# Altium PCB EL2086.PcbDoc (part 1 of 4) (continued)
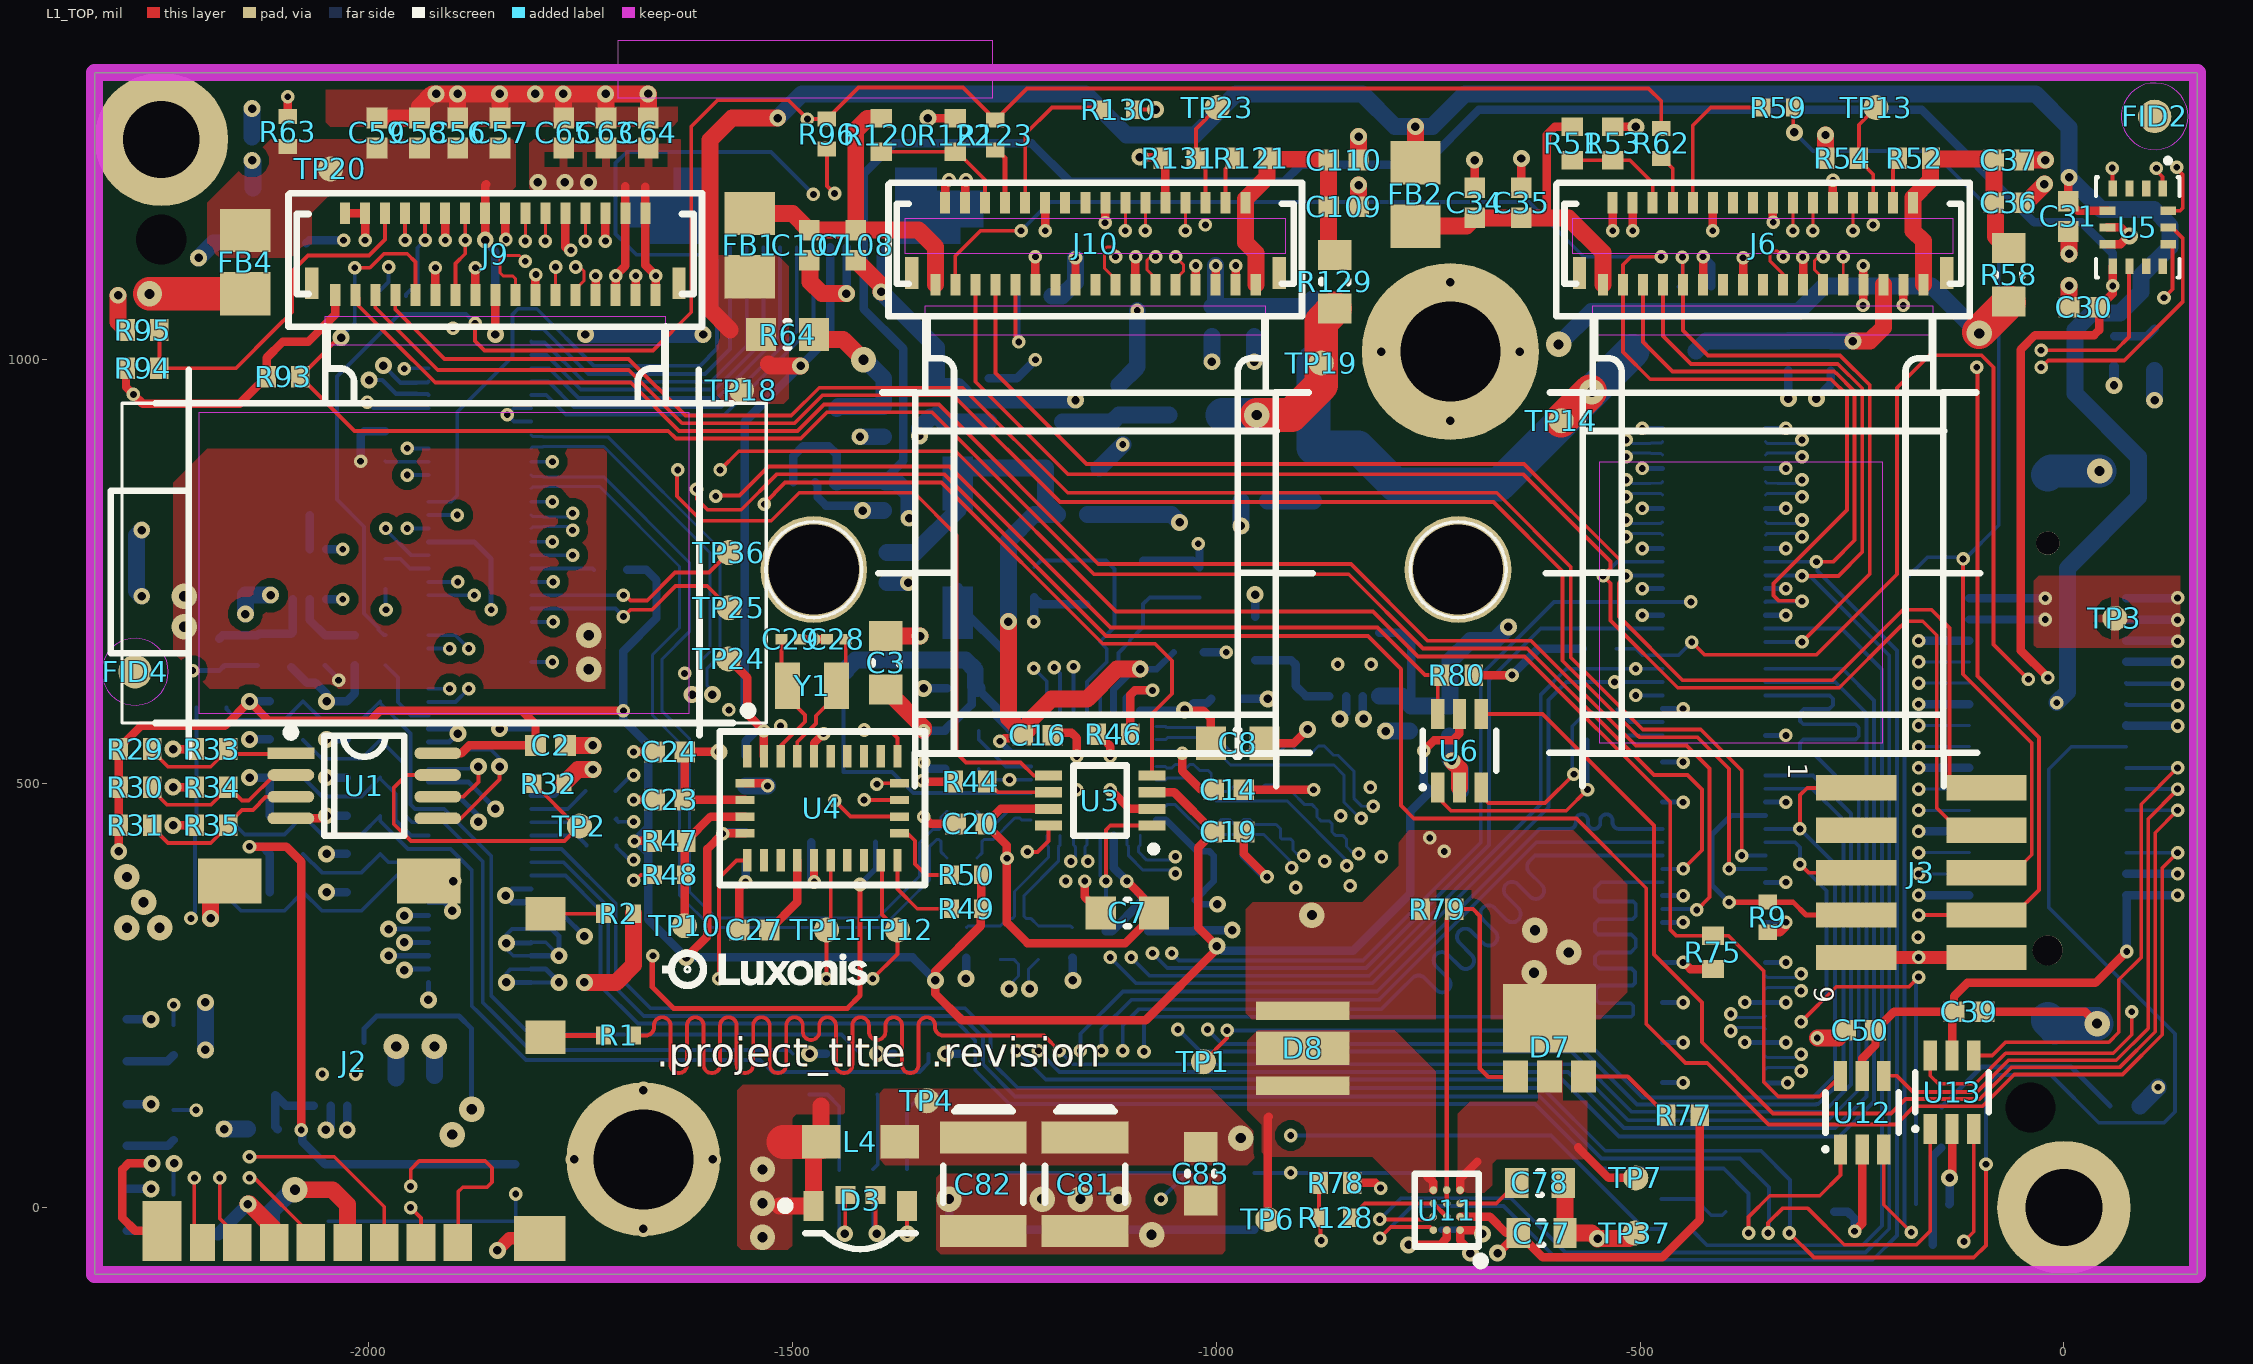
[diagram p0: L1_TOP view]
## Components (designator, comment, footprint, x,y, rotation, side; value= is the part's Value field where it differs from the comment) (continued)
C38 "CL05B104KO5NFNC" CAPC0402(1005)60_N -729.28,491 r180 bottom value=100nF
C39 "CL05B104KO5NFNC" CAPC0402(1005)60_N -112,231 r180 top value=100nF
C40 "GRM155R61E105KA12D" CAPC0402(1005)70_N -1392,840 r90 bottom value=1µF
C41 "GRM155R61E105KA12D" CAPC0402(1005)70_N -1392,926.83 r90 bottom value=1µF
C42 "GRM155R61A106ME11D" CAPC0402(1005)60_L -1967,137 r270 bottom value=10µF
C43 "CL05B104KO5NFNC" CAPC0402(1005)60_N -1922,138 r270 bottom value=100nF
C44 "GRM155R61E105KA12D" CAPC0402(1005)70_N -1329.57,952.42 r270 bottom value=1µF
C45 "GRM155R61E105KA12D" CAPC0402(1005)70_N -1114.57,952.42 r270 bottom value=1µF
C46 "CL05A226MQ5N6J8" CAPC0402(1005)60_L -2176,214 r0 bottom value=22µF
C47 "GRM155R61A106ME11D" CAPC0402(1005)60_L -772,578 r90 bottom value=10µF
C48 "CL05B104KO5NFNC" CAPC0402(1005)60_N -725,574 r90 bottom value=100nF
C49 "CL05A226MQ5N6J8" CAPC0402(1005)60_L -955,833.5 r0 bottom value=22µF
C50 "CL05B104KO5NFNC" CAPC0402(1005)60_N -240,209 r0 top value=100nF
C56 "GRM155R60J106ME15D" CAPC0402(1005)70_N -1894.57,1267.42 r270 top value=10µF
C57 "GRM155R60J106ME15D" CAPC0402(1005)70_N -1844.57,1267.42 r270 top value=10µF
C58 "GRM155R71A104JA01D" CAPC0402(1005)70_N -1939.57,1267.42 r270 top value=100nF
C59 "GRM155R71A104JA01D" CAPC0402(1005)70_N -1989.57,1267.42 r270 top value=100nF
C60 "GRM155R60J106ME15D" CAPC0402(1005)70_N -1715,1047.42 r90 bottom value=10µF
C61 "GRM155R60J106ME15D" CAPC0402(1005)70_N -1674.57,1047.42 r90 bottom value=10µF
C62 "GRM155R60J106ME15D" CAPC0402(1005)70_N -1630.35,1047.42 r90 bottom value=10µF
C63 "GRM155R71A104JA01D" CAPC0402(1005)70_N -1719.57,1267.42 r270 top value=100nF
C64 "GRM155R71A104JA01D" CAPC0402(1005)70_N -1669.57,1267.42 r270 top value=100nF
C65 "GRM155R71A104JA01D" CAPC0402(1005)70_N -1769.57,1267.42 r270 top value=100nF
C66 "TLJB157M010R0500" RESTL1210(3225)_L -1769.57,1232.42 r90 bottom value=150µF
C67 "TLJB157M010R0500" RESTL1210(3225)_L -1884.57,1232.42 r90 bottom value=150µF
C77 "GRM188R61A106ME69D" CAPC0603(1608)100_L -616,-30 r180 top value=10µF
C78 "GRM188R61A106ME69D" CAPC0603(1608)100_L -618,29 r0 top value=10µF
C80 "GRM188R61A226ME15D" CAPC0603(1608)100_N -2242,761.16 r0 bottom value=22µF
C81 "TLJB157M010R0500" RESTL1210(3225)_L -1154.57,27.42 r270 top value=150µF
C82 "TLJB157M010R0500" RESTL1210(3225)_L -1274.57,27.42 r270 top value=150µF
C83 "GRM188R61A226ME15D" CAPC0603(1608)100_N -1018,40 r90 top value=22µF
C100 "CL05B104KO5NFNC" CAPC0402(1005)60_N -2145,740 r90 bottom value=100nF
C101 "GRM188R61A226ME15D" CAPC0603(1608)100_N -2104.57,1137.42 r0 bottom value=22µF
C102 "GRM188R61A226ME15D" CAPC0603(1608)100_N -2104.57,1202.42 r0 bottom value=22µF
C103 "CL05B104KO5NFNC" CAPC0402(1005)60_N -2119.57,1262.42 r0 bottom value=100nF
C104 "GCM1555C1H330JA16D" FP-GCM155-0_05-IPC_A -2175.74,652.11 r90 bottom value=33pF
C105 "GRM155R60J106ME15D" CAPC0402(1005)70_N -955,1045 r90 bottom value=10µF
C106 "CL05B104KO5NFNC" CAPC0402(1005)60_N -1005,1045 r90 bottom value=100nF
C107 "GRM155R60J106ME15D" CAPC0402(1005)70_N -1480,1135 r90 top value=10µF
C108 "CL05B104KO5NFNC" CAPC0402(1005)60_N -1425,1135 r90 top value=100nF
C109 "GRM155R60J106ME15D" CAPC0402(1005)70_N -849.57,1180.42 r180 top value=10µF
C110 "CL05B104KO5NFNC" CAPC0402(1005)60_N -849.57,1235.42 r180 top value=100nF
D1 "SML-D12D8WT86" SML_D1XX8W -145,95 r90 bottom
D2 "SML-D12U8WT86" SML_D1XX8W 107,1012.14 r90 bottom
D3 "155124M173200" FP-155124M173200-MFG -1419.57,-17.58 r0 top
D4 "SML-D12M8WT86" SML_D1XX8W -2284.57,-2.58 r90 bottom
D7 "BELAGO1.1" Belago1.1 -606.77,208.66 r270 top
D8 "SFH 4725AS" "SFH 4715AS" -898,188 r0 top
D18 "SML-D12M8WT86" SML_D1XX8W -2284.57,97.42 r90 bottom
D19 "SML-D12M8WT86" SML_D1XX8W -2284.57,197.42 r90 bottom
FB1 "2508056017Y2" 2508056017Y2 -1550,1135 r90 top
FB2 "2508056017Y2" 2508056017Y2 -765,1195 r270 top
FB3 "2508056017Y2" 2508056017Y2 -471.25,1010.43 r0 bottom
FB4 "2508056017Y2" 2508056017Y2 -2145,1115 r90 top
FB5 "2508056017Y2" 2508056017Y2 -885,1035 r90 bottom
FID1 "FIDUCIAL_ROUND_1MM" FIDUCIAL_ROUND_1MM -2283,478 r90 bottom
FID2 "FIDUCIAL_ROUND_1MM" FIDUCIAL_ROUND_1MM 107,1287 r90 top
FID3 "FIDUCIAL_ROUND_1MM" FIDUCIAL_ROUND_1MM 77.23,1288 r90 bottom
FID4 "FIDUCIAL_ROUND_1MM" FIDUCIAL_ROUND_1MM -2275,632 r90 top
J1 "SFV10R-2STE1HLF" SFV10R-2STE1HLF -1484.39,1151.89 r0 bottom locked
J2 "uSD push/pull" 104031-0811 -2016.97,171.91 r0 top locked
J3 "20021121-00010T1LF" 20021121-00010T1LF -168.23,395 r270 top
J4 "DF40HC(3.0)-100DS-0.4V_SoM-PRO_A" CON_A_BW2099_SOM_DF40HC-3.0-100DS-0.4V_MINPAD -1101.69,533.24 r180 bottom
J5 "DF40HC(3.0)-100DS-0.4V_SoM-PRO_B" CON_B_BW2099_SOM_DF40HC-3.0-100DS-0.4V_MINPAD -1100.71,533.24 r180 bottom locked
J6 "FH26W-33S-0.3SHW(60)" AC-PY003-OV9282#1 -354.33,748.56 r180 top locked
J7 "529010374" CON_529010374 -111.69,368.58 r90 bottom
J9 "JH-B2027-00" PCBComponent_1 -1826.06,748.56 r180 top locked
J10 "FH26W-33S-0.3SHW(60)" AC-PY003-OV9282#2 -1141.73,748.56 r180 top
L1 "LQH32NH2R2J23L" LQH32NH2R2J23L -1304.57,777.42 r90 bottom value=2.2µH
L2 "DFE252012P-1R0M=P2" DFE252012P-1R0M=P2 -2069.57,287.42 r180 bottom value=1µH
L3 "DFE252012P-1R0M=P2" DFE252012P-1R0M=P2 -855,752.42 r180 bottom value=1µH
L4 "742792011" SMD-0805 -1419.57,77.42 r0 top
L6 "SRP6540-1R5M" FP-SRP6540-MFG -2166.57,951.42 r90 bottom locked value=1.5µH
MTG1 "9774030943R" 9774030943R#1 -1675.51,56.87 r180 bottom
MTG2 "9774030943R" 9774030943R#2 -723.74,1009.62 r180 bottom
Q1 "RE1C002UNTCL" RE1C002UNTCL -155,-20 r0 bottom
Q2 "RE1C002UNTCL" RE1C002UNTCL -1319.57,157.42 r0 bottom
Q4 "RE1C002UNTCL" RE1C002UNTCL -1399.57,157.42 r0 bottom
Q5 "RE1C002UNTCL" RE1C002UNTCL -1479.57,157.42 r0 bottom
Q6 "DDTC114YCA-7-F" DDTC114YCA-7-F-Footprint-1 -1439.57,472.42 r90 bottom
R1 "CRCW04020000Z0ED" RESC0402(1005)_L -1704.64,203 r180 top value=0
R2 "CRCW04020000Z0ED" RESC0402(1005)_L -1704.72,346.61 r180 top value=0
R3 "RC0402FR-071KL" RESC0402(1005)_L 59,1009.72 r270 bottom value=1k
R4 "RC0402FR-071KL" RESC0402(1005)_L 72,120 r0 bottom value=1k
R5 "ERJ-2RKF7500X" RESC1005X40X25NL05T05 -1364.57,27.42 r270 bottom value=750
R6 "CRCW04021K20FKED" RESC1005X40X25NL05T05 -1404.57,27.42 r270 bottom value=1.2k
R7 "RC0402FR-07150RL" RESC1005X40X25NL05T10 -1444.57,27.42 r270 bottom value=150
R8 "CRCW0402470RFKED" RESC0402(1005)_L -2229.57,97.42 r270 bottom value=470
R9 "RC0402FR-071KL" RESC0402(1005)_L -349.57,342.42 r270 top value=1k
R10 "CRCW04020000Z0ED" RESC0402(1005)_L -544.57,587.42 r180 bottom value=0
R11 "RC0402FR-1310KL" RESC0402(1005)_N -2096.49,597.11 r180 bottom value=10k
R12 "RC0402FR-1310KL" RESC0402(1005)_N -2096.49,552.11 r180 bottom value=10k
R13 "RC0402FR-1310KL" RESC0402(1005)_N -2096.49,507.11 r180 bottom value=10k
R14 "RC0402FR-1310KL" RESC0402(1005)_N -2096.49,462.11 r180 bottom value=10k
R15 "RC0402FR-1310KL" RESC0402(1005)_N -2096.49,417.11 r180 bottom value=10k
R16 "RC0402FR-1310KL" RESC0402(1005)_N -2096.49,372.11 r180 bottom value=10k
R17 "CRCW04020000Z0ED" RESC0402(1005)_L -2186.49,372.11 r180 bottom value=0
R18 "CRCW04020000Z0ED" RESC0402(1005)_L -2185,462.11 r180 bottom value=0
R19 "CRCW04020000Z0ED" RESC0402(1005)_L -2185,590 r180 bottom value=0
R20 "RC0402FR-1310KL" RESC0402(1005)_N -2005.49,597.11 r0 bottom value=10k
R21 "RC0402FR-1310KL" RESC0402(1005)_N -2005.49,552.11 r0 bottom value=10k
R22 "RC0402FR-1310KL" RESC0402(1005)_N -2005.49,507.11 r0 bottom value=10k
R23 "RC0402FR-1310KL" RESC0402(1005)_N -2005.49,462.11 r0 bottom value=10k
R24 "RC0402FR-1310KL" RESC0402(1005)_N -2005.49,417.11 r0 bottom value=10k
R25 "RC0402FR-1310KL" RESC0402(1005)_N -2005.49,372.11 r0 bottom value=10k
R26 "CRCW04020000Z0ED" RESC0402(1005)_L -1979.57,657.42 r90 bottom value=0
R27 "RC0402FR-1310KL" RESC0402(1005)_N -1714,752 r0 bottom value=10k
R28 "CRCW04020000Z0ED" RESC0402(1005)_L -1979.57,747.42 r270 bottom value=0
R29 "RC0402FR-1310KL" RESC0402(1005)_N -2274.57,540.81 r180 top value=10k
R30 "RC0402FR-1310KL" RESC0402(1005)_N -2274.57,495.81 r180 top value=10k
R31 "RC0402FR-1310KL" RESC0402(1005)_N -2274.57,450.81 r180 top value=10k
R32 "RC0402FR-071KL" RESC0402(1005)_L -1787.07,500 r180 top value=1k
R33 "RC0402FR-1310KL" RESC0402(1005)_N -2184.57,540.81 r0 top value=10k
R34 "RC0402FR-1310KL" RESC0402(1005)_N -2184.57,495.81 r0 top value=10k
R35 "RC0402FR-1310KL" RESC0402(1005)_N -2184.57,450.81 r0 top value=10k
R36 "RC0402FR-0722RL" RESC0402(1005)_N -1209.57,312.42 r90 bottom value=22
R37 "RC0402FR-0722RL" RESC0402(1005)_N -1254.57,312.42 r90 bottom value=22
R38 "RC0402FR-0749R9L" RESC0402(1005)_L -1169.57,312.42 r90 bottom value=49.9
R39 "RC0402FR-0749R9L" RESC0402(1005)_L -1294.57,312.42 r90 bottom value=49.9
R40 "RC0402FR-1310KL" RESC0402(1005)_N -1439.57,612.42 r90 bottom value=10k
R41 "RC0402FR-1310KL" RESC0402(1005)_N -1299.57,562.42 r180 bottom value=10k
R42 "RC0402FR-1310KL" RESC0402(1005)_N -1130,345.45 r270 bottom value=10k
R43 "RC0402FR-1310KL" RESC0402(1005)_N -1299.57,517.42 r180 bottom value=10k
R44 "RC0402FR-1310KL" RESC0402(1005)_N -1289.57,502.42 r0 top value=10k
R45 "RC0402FR-071ML" RESC0402(1005)_L -1119.57,667.42 r0 bottom value=1M
R46 "RC0402FR-072K49L" RESC0402(1005)_N -1121.06,558.07 r0 top value=2.49k
R47 "RC0402FR-1310KL" RESC0402(1005)_N -1644.57,432.42 r180 top value=10k
R48 "CRCW04020000Z0ED" RESC0402(1005)_L -1644.57,392.42 r180 top value=0
R49 "RC0402FR-072K2L" RESC0402(1005)_L -1294.57,352.42 r180 top value=2.2k
R50 "RC0402FR-072K2L" RESC0402(1005)_L -1294.57,392.42 r180 top value=2.2k
R51 "RC0402FR-1310KL" RESC0402(1005)_N -580,1255 r90 top value=10k
R52 "RC0402FR-1310KL" RESC0402(1005)_N -176.57,1237.42 r0 top value=10k
R53 "RC0402FR-1310KL" RESC0402(1005)_N -532.27,1255 r270 top value=10k
R54 "RC0402FR-1310KL" RESC0402(1005)_N -261.57,1237.42 r180 top value=10k
R55 "RC0402FR-1310KL" RESC0402(1005)_N -1213.08,1075 r180 bottom value=10k
R56 "CRCW0402470RFKED" RESC0402(1005)_L -2229.57,197.42 r270 bottom value=470
R57 "CRCW0402470RFKED" RESC0402(1005)_L -2229.57,-2.58 r270 bottom value=470
R58 "CRCW06030000Z0EA" RESC0603(1608)_N -65,1100 r90 top value=0
R59 "CRCW04020000Z0ED" RESC0402(1005)_L -337,1297.42 r0 top value=0
R60 "CRCW04020000Z0ED" RESC0402(1005)_L -1980,898 r90 bottom value=0
R61 "RC0402FR-1310KL" RESC0402(1005)_N -435,1086 r180 bottom value=10k
R62 "CRCW04020000Z0ED" RESC0402(1005)_L -475,1255 r90 top value=0
R63 "CRCW04020000Z0ED" RESC0402(1005)_L -2095,1269 r90 top value=0
R64 "CRCW06030000Z0EA" RESC0603(1608)_N -1505.5,1029.7 r180 top value=0
R65 "CRCW06030000Z0EA" RESC0603(1608)_N -1024.1,934.7 r0 bottom value=0
R66 "CRCW06030000Z0EA" RESC0603(1608)_N -2196,288 r180 bottom value=0
R67 "RC0402FR-07300KL" RESC0402(1005)_N -2109.57,152.11 r90 bottom value=300k
R68 "RC0402FR-0747KL" RESC0402(1005)_L -2124.57,92.42 r0 bottom value=47k
R69 "CRCW06030000Z0EA" RESC0603(1608)_N -885,865 r90 bottom value=0
R70 "RC0402FR-0756KL" RESC0402(1005)_L -906,658 r90 bottom value=56k
R71 "RC0603FR-0733KL" RESC1608X55X25LL10T15 -954,671 r270 bottom value=33k
R72 "CRCW04020000Z0ED" RESC0402(1005)_L -475,-7.72 r270 bottom value=0
R73 "CRCW04020000Z0ED" RESC0402(1005)_L -440,-7.72 r90 bottom value=0
R74 "RC0402FR-1310KL" RESC0402(1005)_N -547.69,659 r0 bottom value=10k
R75 "RC0402FR-1310KL" RESC0402(1005)_N -414,301 r90 top value=10k
R76 "CRCW08050000Z0EA" RESC0805(2012)_L -1974.57,1252.42 r270 bottom value=0
R77 "RC0402FR-07300KL" RESC0402(1005)_N -449.26,109 r0 top value=300k
R78 "RC0402FR-1310KL" RESC0402(1005)_N -859,29 r180 top value=10k
R79 "RC0402FR-07360KL" RESC0402(1005)_N -739,352 r0 top value=360k
R80 "RC0402FR-1310KL" RESC0402(1005)_N -716,628 r180 top value=10k
R93 "RC0402FR-1310KL" RESC0402(1005)_N -2100,980 r0 top value=10k
R94 "RC0402FR-1310KL" RESC0402(1005)_N -2266,990 r0 top value=10k
R95 "RC0402FR-1310KL" RESC0402(1005)_N -2266,1035 r0 top value=10k
R96 "CRCW04020000Z0ED" RESC0402(1005)_L -1459,1266 r90 top value=0
R97 "CRCW04020000Z0ED" RESC0402(1005)_L -1973,1075 r180 bottom value=0
R107 "CRCW04020000Z0ED" RESC0402(1005)_L -544.57,552.42 r180 bottom value=0
R108 "CRCW04020000Z0ED" RESC0402(1005)_L -1725,459 r180 bottom value=0
R113 "CRCW04020000Z0ED" RESC0402(1005)_L -1725.91,491.24 r180 bottom value=0
R114 "CRCW04020000Z0ED" RESC0402(1005)_L -1725,427 r180 bottom value=0
R120 "RC0402FR-1310KL" RESC0402(1005)_N -1395,1265 r90 top value=10k
R121 "RC0402FR-1310KL" RESC0402(1005)_N -958.57,1237.42 r0 top value=10k
R122 "RC0402FR-1310KL" RESC0402(1005)_N -1307.57,1265 r270 top value=10k
R123 "CRCW04020000Z0ED" RESC0402(1005)_L -1260.32,1265 r90 top value=0
R124 "RC0402FR-0720KL" RESC0402(1005)_L -2050.74,657.11 r270 bottom value=20k
R125 "RC0402FR-07100KL" RESC0402(1005)_L -2130.74,657.11 r90 bottom value=100k
R126 "CRCW040233K0FKED" RESC0402(1005)_L -2015.74,657.11 r90 bottom value=33k
R127 "RC0402FR-0722K1L" RESC0402(1005)_N -2090.74,657.11 r90 bottom value=22.1k
R128 "CRCW04020000Z0ED" RESC0402(1005)_L -859,-12 r180 top value=0
R129 "CRCW06030000Z0EA" RESC0603(1608)_N -860,1092.12 r90 top value=0
R130 "CRCW04020000Z0ED" RESC0402(1005)_L -1115,1295 r0 top value=0
R131 "RC0402FR-1310KL" RESC0402(1005)_N -1043.57,1237.42 r180 top value=10k
SW1 "434331045822" 434331045822 -844.57,7.42 r180 bottom
SW2 "434331045822" 434331045822 -1139.57,7.42 r180 bottom
SW3 "434331045822" 434331045822 -1936.57,17.42 r180 bottom
TP1 "TP075_150_NS" TP075_150_NS -1015,172 r0 top
TP2 "TP075_150_NS" TP075_150_NS -1751,450 r90 top
TP3 "TP075_150_NS" TP075_150_NS 60,695 r90 top
TP4 "TEST_POINT" TP075_150_NS -1341,126 r0 top
TP5 "TP075_150_NS" TP075_150_NS -2288,287 r0 bottom
TP6 "TEST_POINT" TP075_150_NS -939,-14 r90 top
TP7 "TEST_POINT" TP075_150_NS -505,35 r90 top
TP10 "TEST_POINT" TP075_150_NS -1626.85,332.42 r90 top
TP11 "TEST_POINT" TP075_150_NS -1459.57,327.42 r90 top
TP12 "TEST_POINT" TP075_150_NS -1375.83,327.42 r90 top
TP13 "TP075_150_NS" TP075_150_NS -221.57,1297.42 r90 top
TP14 "TP075_150_NS" TP075_150_NS -593,928 r90 top
TP18 "TP075_150_NS" TP075_150_NS -1559.78,964.02 r90 top
TP19 "TP075_150_NS" TP075_150_NS -876,996 r90 top
TP20 "TEST_POINT" TP075_150_NS -2044.57,1225.02 r90 top
TP23 "TP075_150_NS" TP075_150_NS -998.57,1297.42 r90 top
TP24 "TEST_POINT" TP075_150_NS -1575,647 r90 top
TP25 "TEST_POINT" TP075_150_NS -1574.57,707.42 r90 top
TP35 "TP075_150_NS" TP075_150_NS -1970.11,1170 r90 bottom
TP36 "TEST_POINT" TP075_150_NS -1574.57,772.42 r90 top
TP37 "TEST_POINT" TP075_150_NS -506,-30 r90 top
U1 "24AA32A-I/MS 8-MSOP" 24AA32A-I/MS -2004.57,497.42 r0 top
U2 "RTL8111HS-CG" RTL8111Hx-CG -1144.57,512.42 r180 bottom
U3 "TXS0102DCUR" TXS0102DCUR -1136.69,480 r180 top
U4 "BNO085" BNO085 -1464.41,470.91 r90 top
U5 "BMI270" XDCR_BMI270 87.07,1156 r270 top
U6 "SN74LVC1G3157DCKR" DCK6_65 -713,538.82 r90 top
U7 "TLV70018DCK" TLV70018DCK -1473,899 r180 bottom
U8 "TLV62080DSG" TLV62080DSG -2034.57,157.42 r90 bottom
U9 "TLV70028DCK" TLV70028DCK -1224.57,952.42 r90 bottom
U10 "TLV62080DSG" TLV62080DSG -836.84,640.6 r90 bottom
U11 "LM3644YFFR" LM3644YFFR -728,-3 r180 top
U12 "SN74LVC1G3157DCKR" DCK6_65 -238,112 r90 top
U13 "SN74LVC1G3157DCKR" DCK6_65 -132,136 r90 top
U22 "TPS564247DRLR" TPS564247DRLR-Footprint-1 -2069.08,746.95 r270 bottom
X1 "ECS-250-18-36B-CKY-TR" ECS-250-18-36B-CKY-TR -1119.57,737.42 r0 bottom
Y1 "ABS06-127-32.768KHZ-T" ABS06-127-32.768KHZ-T -1476.57,615.42 r0 top

## Footprints (in the part's own frame and the unit in brackets; to place one, negate y for a bottom-side part, rotate by r counter-clockwise, add the part's x,y. Pads: shape width x height; smd on the part's side, far side on the other; paste and mask are expansions set on the pad)
24AA32A-I/MS [mm] "Body: 3 x 3mm, pitch: 0.65mm"
  rect 1.4x0.35 smd mask+0.05: 1(-2.2,0.975)
  oval 1.4x0.35 smd mask+0.05: 2(-2.2,0.325) 3(-2.2,-0.325) 4(-2.2,-0.975) 5(2.2,-0.975) 6(2.2,-0.325) 7(2.2,0.325) 8(2.2,0.975)
  silkscreen extent -2.32,-1.5 1.2,1.72, body extent -2.45,-1.5 2.45,1.5, height 1.15
104031-0811 [mm] "10 (8 + 2) Position Card Connector Secure Digital - microSD?Surface Mount, Right Angle Gold"
  rect 0.85x1.1 smd: 1(3.113,-5.412) 3(0.913,-5.412) 4(-0.188,-5.412) 5(-1.288,-5.412) 6(-2.387,-5.412) 7(-3.487,-5.412)
  rect 0.875x1.1 smd: 2(2.013,-5.412)
  rect 0.75x1.1 smd: 8(-4.537,-5.412)
  rect 1.2x1 smd: 9(5.748,0.738) 10(5.748,4.438)
  rect 1.9x1.35 smd: 11(2.248,5.413) 12(-3.722,5.413)
  rect 1.17x1.8 smd: 13(-5.747,-5.062)
  rect 1.55x1.35 smd: 14(5.573,-5.287)
  body extent -5.95,-5.65 6,5.75, height 1.44
20021121-00010T1LF [mm] "Connector Header Surface Mount 10 position 0.050\" (1.27mm)   Contact length: 0.120\" (3.05mm)"
  rect 0.76x2.4 smd: 1(-2.54,-1.95) 2(-2.54,1.95) 3(-1.27,-1.95) 4(-1.27,1.95) 5(0,-1.95) 6(0,1.95) 7(1.27,-1.95) 8(1.27,1.95) 9(2.54,-1.95) 10(2.54,1.95)
  body extent -3.18,-2.75 3.17,2.75, height 4.55
2508056017Y2 [mm] "2508056017Y2 Chip Inductor, 2-Leads, Body 2.00x1.25mm"
  rect 1.3x1.5 smd: 1(-0.95,0) 2(0.95,0)
  body extent -1.1,-0.72 1.1,0.73, height 1.45
9774030943R#1 [mm] "STANDOFF_2.25mmX0.4_3MM with pad on bottom of PCB"
  round 5.3 / inner round 2.7 / far side round 4.6 hole 3 mask+0.05: ""(0,0)
  body extent -2.17,-2.16 2.18,2.16, height 3.05
9774030943R#2 [mm] "STANDOFF_2.25mmX0.4_3MM with pad on bottom of PCB"
  round 5.3 / inner round 2.7 / far side round 5.3 hole 3 mask+0.05: 1(0,0)
  body extent -2.17,-2.16 2.18,2.16, height 3.05
434331045822 [mm] "4.7*3.5mm side push type,SMD, height 1.65mm, black actuator, 220gf, T&R"
  rect 1.2x1 smd: 1(2.8,0.85) 2(2.8,-0.85) 3(-2.8,0.85) 4(-2.8,-0.85)
  silkscreen extent -2.35,-2.75 2.35,1.75, body extent -3.2,-2.75 3.2,1.75, height 1.65
ABS06-127-32.768KHZ-T [mm] "2-SMD 0.079\" L x 0.047\" W (2.00mm x 1.20mm)"
  rect 0.75x1.4 smd: 1(-0.73,0) 2(0.73,0)
  body extent -1,-0.6 1,0.6, height 0.65
AC-PY003-OV9282#1 [mm] "connector: FH26W-33S-0.3SHW"
  rect 0.4x0.95 smd mask+0.05: 0(-5.488,-8.984) 0(5.512,-8.984)
  rect 0.3x0.65 smd mask+0.05: 1(4.812,-8.634) 2(4.52,-11.084) 3(4.212,-8.634) 4(3.92,-11.084) 5(3.612,-8.634) 6(3.32,-11.084) 7(3.012,-8.634) 8(2.72,-11.084) 9(2.412,-8.634) 10(2.12,-11.084) 11(1.812,-8.634) 12(1.52,-11.084) 13(1.212,-8.634) 14(0.92,-11.084) 15(0.612,-8.634) 16(0.32,-11.084) 17(0.012,-8.634) 18(-0.28,-11.084) 19(-0.588,-8.634) 20(-0.88,-11.084) 21(-1.188,-8.634) 22(-1.48,-11.084) 23(-1.788,-8.634) 24(-2.08,-11.084) 25(-2.388,-8.634) 26(-2.68,-11.084) 27(-2.988,-8.634) 28(-3.28,-11.084) 29(-3.588,-8.634) 30(-3.88,-11.084) 31(-4.188,-8.634) 32(-4.48,-11.084) 33(-4.788,-8.634)
  L1_TOP keep-out region: -5.088,-7.981 5.131,-7.981 5.131,-7.138 -5.088,-7.138
  L1_TOP keep-out region: -5.688,-10.602 5.73,-10.602 5.73,-9.573 -5.688,-9.573
  L1_TOP keep-out region: -3.577,-3.316 4.923,-3.316 4.923,5.084 -3.577,5.084
  silkscreen extent -6.5,-11.68 6.52,6.39, body extent -5.69,-11.43 5.71,5.1, height 5.6
AC-PY003-OV9282#2 [mm] "connector: FH26W-33S-0.3SHW"
  rect 0.4x0.95 smd mask+0.05: 0(-5.488,-8.984) 0(5.512,-8.984)
  rect 0.3x0.65 smd mask+0.05: 1(4.812,-8.634) 2(4.52,-11.084) 3(4.212,-8.634) 4(3.92,-11.084) 5(3.612,-8.634) 6(3.32,-11.084) 7(3.012,-8.634) 8(2.72,-11.084) 9(2.412,-8.634) 10(2.12,-11.084) 11(1.812,-8.634) 12(1.52,-11.084) 13(1.212,-8.634) 14(0.92,-11.084) 15(0.612,-8.634) 16(0.32,-11.084) 17(0.012,-8.634) 18(-0.28,-11.084) 19(-0.588,-8.634) 20(-0.88,-11.084) 21(-1.188,-8.634) 22(-1.48,-11.084) 23(-1.788,-8.634) 24(-2.08,-11.084) 25(-2.388,-8.634) 26(-2.68,-11.084) 27(-2.988,-8.634) 28(-3.28,-11.084) 29(-3.588,-8.634) 30(-3.88,-11.084) 31(-4.188,-8.634) 32(-4.48,-11.084) 33(-4.788,-8.634)
  L1_TOP keep-out region: -5.088,-7.981 5.131,-7.981 5.131,-7.138 -5.088,-7.138
  L1_TOP keep-out region: -5.688,-10.602 5.73,-10.602 5.73,-9.573 -5.688,-9.573
  L1_TOP keep-out region: -4.2,-4.2 4.3,-4.2 4.3,4.2 -4.2,4.2
  silkscreen extent -6.5,-11.68 6.52,6.39, body extent -5.69,-11.43 5.71,5.1, height 5.6
Belago1.1 [mm] "SOT23, 6-Leads, Body 2x1.25mm, Pitch 0.65mm"
  rect 0.95x0.75 smd: 1(1.375,1.025) 2(1.375,0) 3(1.375,-1.025)
  rect 2.05x2.8 smd: 4(-0.375,0)
  body extent -1.8,-1.8 2.4,1.8, height 3.25
BNO085 [mm] "28-TFLGA Module (5.2x3.8)"
  rect 0.675x0.25 smd paste+0 mask+0: 1(1.562,2.25) 6(-1.562,2.25) 7(-1.562,1.75) 8(-1.562,1.25) 9(-1.562,0.75) 10(-1.562,0.25) 11(-1.562,-0.25) 12(-1.562,-0.75) 13(-1.562,-1.25) 14(-1.562,-1.75) 15(-1.562,-2.25) 20(1.562,-2.25) 21(1.562,-1.75) 22(1.562,-1.25) 23(1.562,-0.75) 24(1.562,-0.25) 25(1.562,0.25) 26(1.562,0.75) 27(1.562,1.25) 28(1.562,1.75)
  rect 0.25x0.575 smd paste+0 mask+0: 2(0.75,2.312) 3(0.25,2.312) 4(-0.25,2.312) 5(-0.75,2.312) 16(-0.75,-2.312) 17(-0.25,-2.312) 18(0.25,-2.312) 19(0.75,-2.312)
  silkscreen extent -2.3,-3.08 3.05,3.08, body extent -2.45,-3.15 2.45,3.15, height 0.25
CAPC0201(0603)33_L [mm] "Chip Capacitor, Body 0.6x0.3mm, Height 0.33mm, IPC High Density"
  rect 0.36x0.32 smd: 1(-0.28,0) 2(0.28,0)
  body extent -0.32,-0.17 0.32,0.17, height 0.33
CAPC0402(1005)60_L [mm] "Chip Capacitor, Body 1.0x0.5mm, Height 0.6mm, IPC High Density"
  rect 0.52x0.52 smd: 1(-0.4,0) 2(0.4,0)
  body extent -0.55,-0.3 0.55,0.3, height 0.6
CAPC0402(1005)60_N [mm] "Chip Capacitor, Body 1.0x0.5mm, Height 0.6mm, IPC Medium Density"
  rect 0.62x0.62 smd: 1(-0.45,0) 2(0.45,0)
  body extent -0.55,-0.3 0.55,0.3, height 0.6
CAPC0402(1005)70_N [mm] "Chip Capacitor, Body 1.0x0.5mm, Height 0.7mm, IPC Medium Density"
  rect 0.62x0.62 smd: 1(-0.45,0) 2(0.45,0)
  body extent -0.55,-0.3 0.55,0.3, height 0.7
CAPC0603(1608)100_L [mm] "Chip Capacitor, Body 1.6x0.8mm, Height 1.0mm, IPC High Density"
  rect 0.7x0.9 smd: 1(-0.7,0) 2(0.7,0)
  silkscreen extent -0.05,-0.35 0.05,0.35, body extent -0.87,-0.48 0.88,0.48, height 1
CAPC0603(1608)100_N [mm] "Chip Capacitor, Body 1.6x0.8mm, Height 1.0mm, IPC Medium Density"
  rect 0.9x1 smd: 1(-0.8,0) 2(0.8,0)
  silkscreen extent -0.05,-0.4 0.05,0.4, body extent -0.87,-0.48 0.88,0.47, height 1
CON_529010374 [mm]
  rect 0.35x2.5 smd paste+0 mask+0.076: 1(0,0) 2(0.635,0) 3(1.27,0) 4(1.905,0) 5(2.54,0) 6(3.175,0) 7(3.81,0) 8(4.445,0) 9(5.08,0) 10(5.715,0) 11(6.35,0) 12(6.985,0) 13(7.62,0) 14(8.255,0) 15(8.89,0) 16(8.89,4.7) 17(8.255,4.7) 18(7.62,4.7) 19(6.985,4.7) 20(6.35,4.7) 21(5.715,4.7) 22(5.08,4.7) 23(4.445,4.7) 24(3.81,4.7) 25(3.175,4.7) 26(2.54,4.7) 27(1.905,4.7) 28(1.27,4.7) 29(0.635,4.7) 30(0,4.7)
  round 0.9 hole 0.9 unplated mask+0.076: C1(-1.655,2.35)
  round 0.7 hole 0.7 unplated mask+0.076: C2(10.545,2.35)
  rect 2.5x2 smd paste+0 mask+0.076: P1(-3.705,2.35) P2(12.595,2.35)
  silkscreen extent -5.78,-0.85 13.14,5.55, body extent -4.26,-0.85 13.15,5.55, height 10.01
CON_A_BW2099_SOM_DF40HC-3.0-100DS-0.4V_MINPAD [mm] "3.0MM MATED HEIGHT CONN HDR 100POS 0.4MM SMD GOLD"
  rect 0.7x0.18 smd: 1(-19.04,-9.8) 2(-15.96,-9.8) 3(-19.04,-9.4) 4(-15.96,-9.4) 5(-19.04,-9) 6(-15.96,-9) 7(-19.04,-8.6) 8(-15.96,-8.6) 9(-19.04,-8.2) 10(-15.96,-8.2) 11(-19.04,-7.8) 12(-15.96,-7.8) 13(-19.04,-7.4) 14(-15.96,-7.4) 15(-19.04,-7) 16(-15.96,-7) 17(-19.04,-6.6) 18(-15.96,-6.6) 19(-19.04,-6.2) 20(-15.96,-6.2) 21(-19.04,-5.8) 22(-15.96,-5.8) 23(-19.04,-5.4) 24(-15.96,-5.4) 25(-19.04,-5) 26(-15.96,-5) 27(-19.04,-4.6) 28(-15.96,-4.6) 29(-19.04,-4.2) 30(-15.96,-4.2) 31(-19.04,-3.8) 32(-15.96,-3.8) 33(-19.04,-3.4) 34(-15.96,-3.4) 35(-19.04,-3) 36(-15.96,-3) 37(-19.04,-2.6) 38(-15.96,-2.6) 39(-19.04,-2.2) 40(-15.96,-2.2) 41(-19.04,-1.8) 42(-15.96,-1.8) 43(-19.04,-1.4) 44(-15.96,-1.4) 45(-19.04,-1) 46(-15.96,-1) 47(-19.04,-0.6) 48(-15.96,-0.6) 49(-19.04,-0.2) 50(-15.96,-0.2) 51(-19.04,0.2) 52(-15.96,0.2) 53(-19.04,0.6) 54(-15.96,0.6) 55(-19.04,1) 56(-15.96,1) 57(-19.04,1.4) 58(-15.96,1.4) 59(-19.04,1.8) 60(-15.96,1.8) 61(-19.04,2.2) 62(-15.96,2.2) 63(-19.04,2.6) 64(-15.96,2.6) 65(-19.04,3) 66(-15.96,3) 67(-19.04,3.4) 68(-15.96,3.4) 69(-19.04,3.8) 70(-15.96,3.8) 71(-19.04,4.2) 72(-15.96,4.2) 73(-19.04,4.6) 74(-15.96,4.6) 75(-19.04,5) 76(-15.96,5) 77(-19.04,5.4) 78(-15.96,5.4) 79(-19.04,5.8) 80(-15.96,5.8) 81(-19.04,6.2) 82(-15.96,6.2) 83(-19.04,6.6) 84(-15.96,6.6) 85(-19.04,7) 86(-15.96,7) 87(-19.04,7.4) 88(-15.96,7.4) 89(-19.04,7.8) 90(-15.96,7.8) 91(-19.04,8.2) 92(-15.96,8.2) 93(-19.04,8.6) 94(-15.96,8.6) 95(-19.04,9) 96(-15.96,9) 97(-19.04,9.4) 98(-15.96,9.4) 99(-19.04,9.8) 100(-15.96,9.8)
  silkscreen extent -22.53,-15 -16.85,15.03, body extent -19.19,-11.3 -15.81,11.3, height 2.85
CON_B_BW2099_SOM_DF40HC-3.0-100DS-0.4V_MINPAD [mm] "3.0MM MATED HEIGHT CONN HDR 100POS 0.4MM SMD GOLD"
  rect 0.7x0.18 smd: 1(17.96,-6.8) 2(21.04,-6.8) 3(17.96,-6.4) 4(21.04,-6.4) 5(17.96,-6) 6(21.04,-6) 7(17.96,-5.6) 8(21.04,-5.6) 9(17.96,-5.2) 10(21.04,-5.2) 11(17.96,-4.8) 12(21.04,-4.8) 13(17.96,-4.4) 14(21.04,-4.4) 15(17.96,-4) 16(21.04,-4) 17(17.96,-3.6) 18(21.04,-3.6) 19(17.96,-3.2) 20(21.04,-3.2) 21(17.96,-2.8) 22(21.04,-2.8) 23(17.96,-2.4) 24(21.04,-2.4) 25(17.96,-2) 26(21.04,-2) 27(17.96,-1.6) 28(21.04,-1.6) 29(17.96,-1.2) 30(21.04,-1.2) 31(17.96,-0.8) 32(21.04,-0.8) 33(17.96,-0.4) 34(21.04,-0.4) 35(17.96,0) 36(21.04,0) 37(17.96,0.4) 38(21.04,0.4) 39(17.96,0.8) 40(21.04,0.8) 41(17.96,1.2) 42(21.04,1.2) 43(17.96,1.6) 44(21.04,1.6) 45(17.96,2) 46(21.04,2) 47(17.96,2.4) 48(21.04,2.4) 49(17.96,2.8) 50(21.04,2.8) 51(17.96,3.2) 52(21.04,3.2) 53(17.96,3.6) 54(21.04,3.6) 55(17.96,4) 56(21.04,4) 57(17.96,4.4) 58(21.04,4.4) 59(17.96,4.8) 60(21.04,4.8) 61(17.96,5.2) 62(21.04,5.2) 63(17.96,5.6) 64(21.04,5.6) 65(17.96,6) 66(21.04,6) 67(17.96,6.4) 68(21.04,6.4) 69(17.96,6.8) 70(21.04,6.8) 71(17.96,7.2) 72(21.04,7.2) 73(17.96,7.6) 74(21.04,7.6) 75(17.96,8) 76(21.04,8) 77(17.96,8.4) 78(21.04,8.4) 79(17.96,8.8) 80(21.04,8.8) 81(17.96,9.2) 82(21.04,9.2) 83(17.96,9.6) 84(21.04,9.6) 85(17.96,10) 86(21.04,10) 87(17.96,10.4) 88(21.04,10.4) 89(17.96,10.8) 90(21.04,10.8) 91(17.96,11.2) 92(21.04,11.2) 93(17.96,11.6) 94(21.04,11.6) 95(17.96,12) 96(21.04,12) 97(17.96,12.4) 98(21.04,12.4) 99(17.96,12.8) 100(21.04,12.8)
  silkscreen extent 16.75,-15.04 22.53,15, body extent 17.81,-8.3 21.19,14.3, height 2.85
DCK6_65 [mm]
  rect 0.9x0.4 smd: 1(-1.1,0.65) 2(-1.1,0) 3(-1.1,-0.65) 4(1.1,-0.65) 5(1.1,0) 6(1.1,0.65)
  silkscreen extent -1.13,-1.1 0.6,1.13, body extent -1.2,-1.1 1.2,1.1, height 1.1
DDTC114YCA-7-F-Footprint-1 [mm]
  rect 1.1x0.65 smd: 1(-1.05,0.96) 2(-1.05,-0.96) 3(1.05,0)
  silkscreen extent -1.6,-1.45 0.15,1.54, body extent -1.2,-1.45 1.2,1.45, height 1.1
DFE252012P-1R0M=P2 [mm] "Chip Inductor, 2-Leads, Body 2.40x2.00mm, IPC High Density"
  rect 0.8x2 smd: 1(-1,0) 2(1,0)
  silkscreen extent -0.05,-0.9 0.05,0.9, body extent -1.25,-1.1 1.25,1.1, height 1.2
ECS-250-18-36B-CKY-TR [mm] "2.5x2.0mm ceramic SMD"
  rect 1.2x1 smd: 1(-0.85,-0.65) 2(0.85,-0.65) 3(0.85,0.65) 4(-0.85,0.65)
  silkscreen extent -1.77,-1.44 1.75,0.99, body extent -1.3,-1.05 1.3,1.05, height 0.6
FIDUCIAL_ROUND_1MM [mm] "Round, 1mm dia"
  round 1 smd paste-1 mask+0.5: 1(0,0)
  L1_TOP keep-out circle w0.025: c0,0 r1
FP-155124M173200-MFG [mm]
  rect 0.6x0.9 smd paste+0 mask+0: 1(-1.4,0.5) 4(1.4,0.5)
  rect 0.6x0.55 smd paste+0 mask+0: 2(-0.45,0.825) 3(0.45,0.825)
  silkscreen extent -2.37,-0.8 1.65,0.62, body extent -1.8,-0.9 1.8,1.2, height 0.25
FP-GCM155-0_05-IPC_A [mil]
  rect 28.16x26.48 smd paste+0 mask+0: 1(-18.84,0) 2(18.84,0)
  silkscreen extent -33,-29 33,29, body extent -20,-10 20,10, height 22
FP-SRP6540-MFG [mm]
  rect 1.85x3.4 smd paste+0 mask+0: 1(-2.775,0) 2(2.775,0)
  silkscreen extent -3.75,-3.35 3.75,3.35, body extent -3.6,-3.25 3.6,3.25, height 4
LM3644YFFR [mm] "DSBGA 12 (pitch 0.4mm)"
  round 0.23 smd paste+0 mask+0.05: A1(-0.4,0.6) A2(0,0.6) A3(0.4,0.6) B1(-0.4,0.2) B2(0,0.2) B3(0.4,0.2) C1(-0.4,-0.2) C2(0,-0.2) C3(0.4,-0.2) D1(-0.4,-0.6) D2(0,-0.6) D3(0.4,-0.6)
  silkscreen extent -1.14,-1.09 0.96,1.65, body extent -0.69,-0.82 0.69,0.82, height 0.63
LQH32NH2R2J23L [mm] "inductor 3.20mm x 2.50mm x 2.2mm"
  rect 1x2 smd: 1(-1.15,0) 2(1.15,0)
  L1_TOP region: -1.15,-0.45 -2.7,-0.45 -2.7,0.45 -1.15,0.45
  L1_TOP region: 1.15,0.45 2.75,0.45 2.75,-0.45 1.15,-0.45
  body extent -1.6,-1.25 1.6,1.25, height 1.55
PCBComponent_1 [mm]
  rect 0.4x0.95 smd mask+0.05: 0(-4.894,-8.677) 0(6.106,-8.677)
  rect 0.3x0.65 smd mask+0.05: 1(5.406,-8.327) 2(5.113,-10.777) 3(4.806,-8.327) 4(4.513,-10.777) 5(4.206,-8.327) 6(3.913,-10.777) 7(3.606,-8.327) 8(3.313,-10.777) 9(3.006,-8.327) 10(2.713,-10.777) 11(2.406,-8.327) 12(2.113,-10.777) 13(1.806,-8.327) 14(1.513,-10.777) 15(1.206,-8.327) 16(0.913,-10.777) 17(0.606,-8.327) 18(0.313,-10.777) 19(0.006,-8.327) 20(-0.287,-10.777) 21(-0.594,-8.327) 22(-0.887,-10.777) 23(-1.194,-8.327) 24(-1.487,-10.777) 25(-1.794,-8.327) 26(-2.087,-10.777) 27(-2.394,-8.327) 28(-2.687,-10.777) 29(-2.994,-8.327) 30(-3.287,-10.777) 31(-3.594,-8.327) 32(-3.887,-10.777) 33(-4.194,-8.327)
  L1_TOP keep-out region: -4.494,-7.674 5.725,-7.674 5.725,-6.831 -4.494,-6.831
  L1_TOP keep-out region: -5.206,-4.793 9.494,-4.793 9.494,4.207 -5.206,4.207
  silkscreen extent -6.51,-11.38 12.14,5.5, body extent -5.51,-11.13 12.14,5.11, height 6.5
RE1C002UNTCL [mm] "ROHM SOT-416FL"
  rect 0.3x0.71 smd: 1(-0.5,-0.61) 2(0.5,-0.61) 3(0,0.61)
  silkscreen extent -0.85,0.18 0.85,0.48, body extent -0.8,-0.8 0.8,0.8, height 0.75
RESC0402(1005)_L [mm] "Chip Resistor, Body 1.0x0.5mm, IPC High Density"
  rect 0.45x0.55 smd: 1(-0.45,0) 2(0.45,0)
  body extent -0.52,-0.27 0.53,0.28, height 0.4
RESC0402(1005)_N [mm] "Chip Resistor, Body 1.0x0.5mm, IPC Medium Density"
  rect 0.55x0.65 smd: 1(-0.5,0) 2(0.5,0)
  body extent -0.52,-0.27 0.53,0.28, height 0.4
RESC0603(1608)_N [mm] "Chip Resistor, Body 1.6x0.8mm, IPC Medium Density"
  rect 0.9x1 smd: 1(-0.8,0) 2(0.8,0)
  silkscreen extent -0.05,-0.4 0.05,0.4, body extent -0.85,-0.47 0.85,0.47, height 0.6
RESC0805(2012)_L [mm] "Chip Resistor, Body 2.0x1.3mm, IPC High Density"
  rect 0.85x1.3 smd: 1(-0.85,0) 2(0.85,0)
  silkscreen extent -0.05,-0.55 0.05,0.55, body extent -1.1,-0.67 1.1,0.68, height 0.7
RESC1005X40X25NL05T05 [mm] "Chip Resistor, 2-Leads, Body 1.00x0.50mm, IPC Medium Density"
  rect 0.55x0.55 smd: 1(-0.45,0) 2(0.45,0)
  body extent -0.53,-0.27 0.53,0.28, height 0.4
RESC1005X40X25NL05T10 [mm] "Chip Resistor, 2-Leads, Body 1.00x0.50mm, IPC Medium Density"
  rect 0.6x0.55 smd: 1(-0.425,0) 2(0.425,0)
  body extent -0.53,-0.27 0.53,0.28, height 0.4
RESC1608X55X25LL10T15 [mm] "Chip Resistor, 2-Leads, Body 1.60x0.80mm, IPC High Density"
  rect 0.6x0.8 smd: 1(-0.65,0) 2(0.65,0)
  body extent -0.85,-0.45 0.85,0.45, height 0.55
RESTL1210(3225)_L [mm]
  rect 0.95x2.6 smd: 1(-1.4,0) 2(1.4,0)
  silkscreen extent -2.31,-1.2 0.55,1.2, body extent -1.75,-1.4 1.75,1.4, height 1.91